# Altium PCB ControllerBoardExp.PcbDoc (part 3 of 4) (continued)
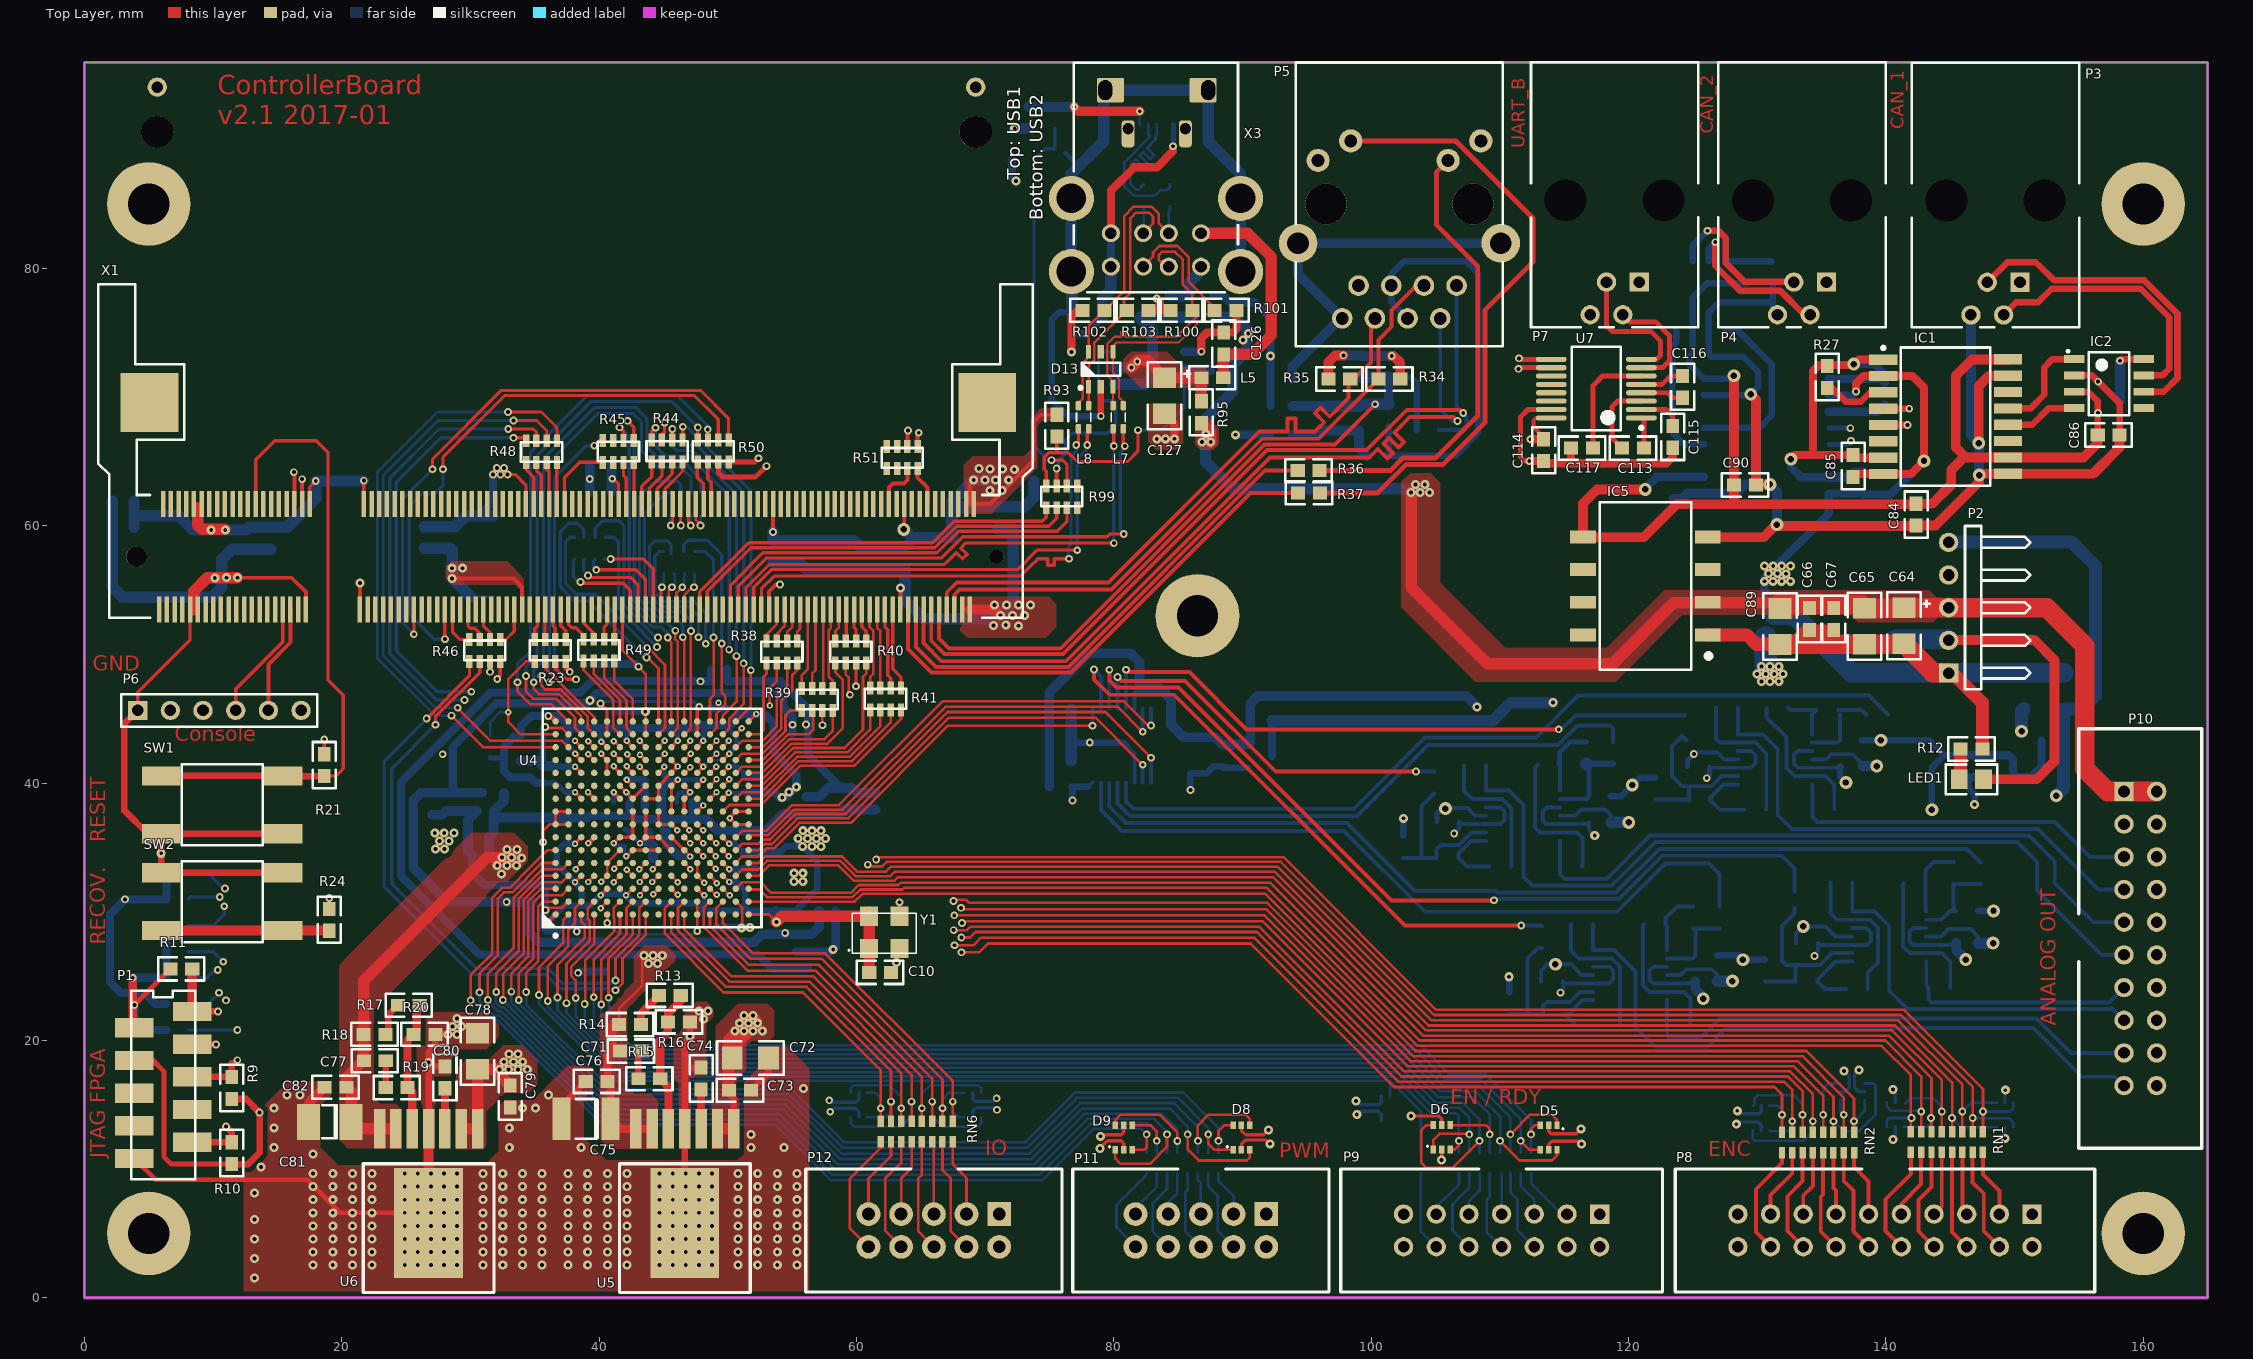
[diagram p0: Top Layer view]
## Nets (pads, with @x,y where several pads share a name; then routed paths per layer and width w, separated by ;. In a path a pad name is that pad's centre, name@x,y a point inside that pad or via, vN(x,y) a via of type N, cw(c..) or ccw(c..) an arc to the next point about the centre after c; other vN are vias at no path point) (continued)
  Bottom Layer w0.762: v2(97.837,73.235) C92.2@99.206,73.235 99.254,73.188 v2(101.594,73.188)
NetC113_1: C113.1 U7.3 | length 6
  Top Layer w0.381: C113.1@119.5,66.03 118.705,66.825 118.705,69.241 119.142,69.678 U7.3@120.994,69.678
NetC113_2: C113.2 U7.1 | length 2.4
  Top Layer w0.381: U7.1@120.994,68.378 121.2,68.171 C113.2@121.2,66.03
NetC115_2: C115.2 U7.2 | length 3.4
  Top Layer w0.381: U7.2@120.994,69.028 122.925,69.028 123.437,68.515 C115.2@123.437,67.755
NetC116_1: C116.1 U7.5 | length 3.5
  Top Layer w0.381: U7.5@120.994,70.978 122.606,70.978 123.271,71.643 C116.1@124.199,71.643
NetC116_2: C116.2 U7.4 | length 3.4
  Top Layer w0.381: U7.4@120.994,70.328 123.013,70.328 123.398,69.943 C116.2@124.199,69.943
NetC117_2: C117.2 U7.6 | length 8.9
  Top Layer w0.381: C117.2@117.238,66.03 117.238,70.887 117.978,71.628 U7.6@120.994,71.628
NetIC1_3: IC1.3 R27.1 | length 5.1
  Top Layer w0.508: R27.1@135.442,70.706 135.812,70.706 136.895,69.623 138.046,69.623 138.787,70.364 IC1.3@139.785,70.364
NetIC2_8: IC2.8 R25.1 R26.2 | length 5.1
  Top Layer w0.508: v2(158.196,72.816) 158.329,72.949 IC2.8@160.05,72.949
  Bottom Layer w0.508: R25.1@158.182,69.669 R25.1@158.196,69.682
  Bottom Layer w0.762: R25.1@158.196,69.682 R26.2@158.196,71.96 v2(158.196,72.816)
NetIC3_3: IC3.3 R30.1 | length 4.6
  Bottom Layer w0.635: IC3.3@135.563,68.85 139.349,68.85 R30.1@139.909,69.41
NetIC4_8: IC4.8 R28.1 R29.2 | length 3.6
  Bottom Layer w0.508: IC4.8@127.515,80.536 131.09,80.536 R29.2@131.107,80.519
NetIC6_2: IC6.2 R92.1 | length 2.2
  Bottom Layer w0.508: IC6.2@85.452,72.252 R92.1@87.327,72.252
  Bottom Layer w0.635: R92.1@87.327,72.252 R92.1@87.548,72.032
NetLED1_1: LED1.1 R12.2 | length 2.4
  Top Layer w0.508: LED1.1@145.69,40.289 LED1.1@145.8,40.399
  Top Layer w1.016: LED1.1@145.8,40.399 R12.2@145.8,42.648
NetR5_2: R5.2 U4.J3 | length 42
  Top Layer w0.254: v3(44.221,31.344) 44.176,31.344 U4.J3@44.62,31.787
  Mid-Layer 2 w0.203: v2(11.887,20.803) 13.64,20.803 19.431,26.594 40.945,26.594 44.221,29.87 v3(44.221,31.344)
  Bottom Layer w0.254: R5.2@8.075,20.803 v2(11.887,20.803)
NetR6_2: R6.2 U4.G12 | length 49.2
  Top Layer w0.254: v3(42.164,41.3) 42.164,41.243 U4.G12@42.62,40.787
  Mid-Layer 1 w0.203: 34.138,44.108 36.105,46.076 37.956,46.076 39.15,47.269 40.762,47.269 41.681,46.35 41.681,43.494 41.673,43.485 41.673,41.792 v3(42.164,41.3)
  Mid-Layer 1 w0.254: v2(10.363,25.476) 15.505,25.476 34.138,44.108
  Bottom Layer w0.254: R6.2@8.075,24.867 9.525,24.867 10.135,25.476 v2(10.363,25.476)
NetR7_2: R7.2 U4.H13 | length 49
  Top Layer w0.254: v3(43.18,42.215) 43.192,42.215 U4.H13@43.62,41.787
  Mid-Layer 1 w0.203: 33.884,44.411 35.891,46.419 37.814,46.419 39.008,47.612 40.904,47.612 42.024,46.492 42.024,44.234 42.659,43.599 42.659,42.735 v3(43.18,42.215)
  Mid-Layer 1 w0.254: v2(10.795,26.111) 15.584,26.111 33.884,44.411
  Bottom Layer w0.254: R7.2@8.075,26.899 10.008,26.899 v2(10.795,26.111)
NetR8_1: R8.1 U4.H12 | length 50.1
  Top Layer w0.254: v3(43.155,41.25) 43.157,41.25 U4.H12@43.62,40.787
  Mid-Layer 1 w0.203: 33.579,44.755 35.585,46.761 37.672,46.761 38.866,47.955 41.046,47.955 42.367,46.634 42.367,44.958 43.764,43.561 43.764,41.58 43.434,41.25 v3(43.155,41.25)
  Mid-Layer 1 w0.254: v2(10.871,30.429) 19.253,30.429 33.579,44.755
  Bottom Layer w0.254: R8.1@8.077,28.931 10.008,28.931 10.871,29.794 v2(10.871,30.429)
NetR13_1: R13.1 R15.1 R16.1 U5.5 | length 11.3
  Top Layer w0.635: U5.5@45.39,13.122 45.39,16.383 R15.1@44.755,17.018 44.755,20.091 45.364,20.701 R16.1@45.364,21.438 45.364,22.082 46.342,23.059 R13.1@46.342,23.497
NetR13_2: R13.2 R14.1 | length 2.8
  Top Layer w0.635: R14.1@43.257,21.228 43.257,22.112 R13.2@44.642,23.497
NetR17_1: R17.1 R19.1 R20.1 U6.5 | length 10.1
  Top Layer w0.635: U6.5@25.476,13.122 25.476,15.977 R19.1@25.121,16.332 25.121,20.015 R20.1@25.578,20.472 25.832,20.726 25.832,22.504 R17.1@26.06,22.733
NetR17_2: R17.2 R18.1 | length 2.7
  Top Layer w0.508: R18.1@23.393,20.472 23.598,20.677 23.598,21.971 R17.2@24.36,22.733
NetR23_2A: R23.2A X1.87 | length 2.4
  Top Layer w0.254: R23.2A@35.001,51.154 35.001,52.019 35.214,52.232 X1.87@35.214,53.482
NetR23_2B: R23.2B X1.89 | length 2.3
  Top Layer w0.254: R23.2B@35.801,51.154 35.801,53.469 X1.89@35.814,53.482
NetR23_2C: R23.2C X1.91 | length 2.4
  Top Layer w0.254: X1.91@36.414,53.482 36.414,52.206 36.601,52.019 R23.2C@36.601,51.154
NetR23_2D: R23.2D X1.93 | length 2.5
  Top Layer w0.254: X1.93@37.014,53.482 37.014,52.216 37.401,51.829 R23.2D@37.401,51.154
NetR38_2A: R38.2A X1.149 | length 2.8
  Top Layer w0.203: R38.2A@53.007,51.041 53.007,51.534 53.814,52.341 X1.149@53.814,53.482
NetR38_2B: R38.2B X1.151 | length 2.7
  Top Layer w0.203: R38.2B@53.807,51.041 53.807,51.598 54.414,52.204 X1.151@54.414,53.482
NetR38_2C: R38.2C X1.153 | length 2.6
  Top Layer w0.203: R38.2C@54.607,51.041 54.607,51.737 55.014,52.144 X1.153@55.014,53.482
NetR38_2D: R38.2D X1.155 | length 2.5
  Top Layer w0.203: R38.2D@55.407,51.041 55.407,51.775 55.614,51.982 X1.155@55.614,53.482
NetR39_2A: R39.2A X1.157 | length 6.3
  Top Layer w0.203: R39.2A@55.751,47.333 55.751,48.385 56.214,48.848 X1.157@56.214,53.482
NetR39_2B: R39.2B X1.159 | length 6.3
  Top Layer w0.203: R39.2B@56.551,47.333 56.551,48.499 56.814,48.762 X1.159@56.814,53.482
NetR39_2C: R39.2C X1.161 | length 6.2
  Top Layer w0.203: R39.2C@57.351,47.333 57.414,47.397 X1.161@57.414,53.482
NetR39_2D: R39.2D X1.163 | length 6.4
  Top Layer w0.203: X1.163@58.014,53.482 58.014,52.045 57.836,51.867 57.836,48.285 58.151,47.971 R39.2D@58.151,47.333
NetR40_2A: R40.2A X1.165 | length 2.5
  Top Layer w0.203: R40.2A@58.367,51.041 58.367,51.814 58.614,52.061 X1.165@58.614,53.482
NetR40_2B: R40.2B X1.167 | length 2.5
  Top Layer w0.254: R40.2B@59.167,51.041 59.214,51.089 X1.167@59.214,53.482
NetR40_2C: R40.2C X1.169 | length 2.5
  Top Layer w0.254: X1.169@59.814,53.482 59.814,52.073 59.967,51.92 R40.2C@59.967,51.041
NetR40_2D: R40.2D X1.171 | length 2.6
  Top Layer w0.254: X1.171@60.414,53.482 60.414,52.159 60.767,51.806 R40.2D@60.767,51.041
NetR41_2A: R41.2A X1.173 | length 6.3
  Top Layer w0.203: X1.173@61.014,53.482 61.014,52.143 61.29,51.867 61.29,48.463 61.059,48.232 R41.2A@61.059,47.384
NetR41_2B: R41.2B X1.175 | length 6.2
  Top Layer w0.203: X1.175@61.614,53.482 61.614,52.051 61.859,51.806 R41.2B@61.859,47.384
NetR41_2C: R41.2C X1.177 | length 6.3
  Top Layer w0.254: X1.177@62.214,53.482 62.214,52.137 62.42,51.93 62.42,48.374 62.659,48.136 R41.2C@62.659,47.384
NetR41_2D: R41.2D X1.179 | length 6.4
  Top Layer w0.254: X1.179@62.814,53.482 62.814,48.876 63.459,48.231 R41.2D@63.459,47.384
NetR42_2A: R42.2A X1.111 | length 8
  Top Layer w0.254: v2(38.557,55.626) 38.659,55.524 41.859,55.524 42.414,54.969 X1.111@42.414,53.482
  Bottom Layer w0.203: v2@38.544,55.512 38.659,55.626 v2(38.557,55.626)
  Bottom Layer w0.254: R42.2A@38.1,57.406 37.998,57.304 37.998,56.058 v2@38.544,55.512
NetR42_2B: R42.2B X1.113 | length 7.6
  Top Layer w0.254: v2(39.141,56.134) 39.294,55.982 42.443,55.982 43.014,55.411 X1.113@43.014,53.482
  Bottom Layer w0.254: R42.2B@38.9,57.406 38.798,57.304 38.798,56.477 v2(39.141,56.134)
NetR42_2C: R42.2C X1.115 | length 7.5
  Top Layer w0.254: v2(39.776,56.566) 42.85,56.566 43.614,55.801 X1.115@43.614,53.482
  Bottom Layer w0.254: R42.2C@39.7,57.406 39.573,57.279 39.573,56.769 v2(39.776,56.566)
NetR42_2D: R42.2D X1.117 | length 7.3
  Top Layer w0.254: v2(40.894,57.404) 43.459,57.404 44.214,56.649 X1.117@44.214,53.482
  Bottom Layer w0.254: R42.2D@40.398,57.406 v2@40.894,57.406
NetR43_2A: R43.2A X1.119 | length 2.9
  Top Layer w0.203: X1.119@44.814,53.482 44.814,55.152 v2(44.882,55.22)
  Bottom Layer w0.203: v2(44.882,55.22) 44.882,55.474 45.009,55.601 R43.2A@45.009,56.288
NetR43_2B: R43.2B X1.121 | length 3
  Top Layer w0.203: X1.121@45.414,53.482 45.414,54.965 v2(45.669,55.22)
  Bottom Layer w0.203: v2(45.669,55.22) 45.872,55.423 45.872,56.225 R43.2B@45.809,56.288
NetR43_2C: R43.2C X1.123 | length 3.1
  Top Layer w0.203: X1.123@46.014,53.482 46.014,54.777 v2(46.457,55.22)
  Bottom Layer w0.203: v2(46.457,55.22) 46.609,55.372 R43.2C@46.609,56.288
NetR43_2D: R43.2D X1.125 | length 3.3
  Top Layer w0.203: X1.125@46.614,53.482 46.614,54.59 47.244,55.22 v2(47.371,55.22)
  Bottom Layer w0.203: v2(47.371,55.22) 47.32,55.22 47.409,55.308 R43.2D@47.409,56.288
NetR44_2A: R44.2A X1.120 | length 3.8
  Top Layer w0.254: X1.120@45.114,61.682 45.114,62.843 46.482,64.211 R44.2A@46.482,64.95
NetR44_2B: R44.2B X1.118 | length 3.8
  Top Layer w0.254: X1.118@44.514,61.682 44.514,62.878 45.682,64.046 R44.2B@45.682,64.95
NetR44_2C: R44.2C X1.116 | length 3.7
  Top Layer w0.254: X1.116@43.914,61.682 43.914,62.888 44.882,63.856 R44.2C@44.882,64.95
NetR44_2D: R44.2D X1.114 | length 3.6
  Top Layer w0.254: X1.114@43.314,61.682 43.314,63.05 44.082,63.818 R44.2D@44.082,64.95
NetR45_2A: R45.2A X1.112 | length 3.2
  Top Layer w0.203: R45.2A@42.697,64.924 R45.2A@42.714,64.907
  Top Layer w0.254: X1.112@42.714,61.682 R45.2A@42.714,64.907
NetR45_2B: R45.2B X1.110 | length 3.3
  Top Layer w0.254: R45.2B@41.897,64.924 41.897,63.894 42.114,63.677 X1.110@42.114,61.682
NetR45_2D: R45.2D X1.94 | length 5.5
  Top Layer w0.254: X1.94@37.314,61.682 37.314,63.756 38.483,64.924 R45.2D@40.297,64.924
NetR46_2A: R46.2A X1.65 | length 3.3
  Top Layer w0.254: X1.65@28.614,53.482 28.614,51.726 29.186,51.154 R46.2A@29.921,51.154
NetR46_2B: R46.2B X1.69 | length 2.9
  Top Layer w0.254: X1.69@29.814,53.482 29.814,52.202 29.997,52.019 30.328,52.019 30.721,51.626 R46.2B@30.721,51.154
NetR46_2C: R46.2C X1.73 | length 2.5
  Top Layer w0.254: X1.73@31.014,53.482 31.014,52.222 31.521,51.715 R46.2C@31.521,51.154
NetR46_2D: R46.2D X1.81 | length 3
  Top Layer w0.254: R46.2D@32.321,51.154 32.764,51.154 33.414,51.804 X1.81@33.414,53.482
NetR47_2A: R47.2A X1.122 | length 2.5
  Top Layer w0.203: v2(45.568,60.02) 45.714,60.167 X1.122@45.714,61.682
  Bottom Layer w0.203: R47.2A@45.542,60.835 45.568,60.809 v2(45.568,60.02)
NetR47_2B: R47.2B X1.124 | length 2.5
  Top Layer w0.203: X1.124@46.314,61.682 46.38,61.615 46.355,61.59 v2(46.355,60.02)
  Bottom Layer w0.203: R47.2B@46.342,60.835 46.355,60.822 v2(46.355,60.02)
NetR47_2C: R47.2C X1.126 | length 2.6
  Top Layer w0.203: X1.126@46.914,61.682 46.914,60.198 47.092,60.02 v2(47.117,60.02)
  Bottom Layer w0.203: v2(47.117,60.02) 47.117,60.81 R47.2C@47.142,60.835
NetR47_2D: R47.2D X1.128 | length 2.7
  Top Layer w0.203: X1.128@47.514,61.682 47.514,60.436 47.879,60.071 v2(47.879,60.02)
  Bottom Layer w0.203: v2(47.879,60.02) 47.879,60.772 R47.2D@47.942,60.835
NetR48_2A: R48.2A X1.92 | length 3.2
  Top Layer w0.203: R48.2A@36.714,64.885 R48.2A@36.728,64.899
  Top Layer w0.254: X1.92@36.714,61.682 R48.2A@36.714,64.885
NetR48_2B: R48.2B X1.90 | length 3.3
  Top Layer w0.254: R48.2B@35.928,64.899 35.928,64.351 36.114,64.165 X1.90@36.114,61.682
NetR48_2C: R48.2C X1.88 | length 3.4
  Top Layer w0.254: R48.2C@35.128,64.899 35.128,64.313 35.514,63.927 X1.88@35.514,61.682
NetR48_2D: R48.2D X1.86 | length 3.5
  Top Layer w0.254: R48.2D@34.328,64.899 34.328,64.351 34.914,63.765 X1.86@34.914,61.682
NetR49_2A: R49.2A X1.95 | length 3
  Top Layer w0.254: X1.95@37.614,53.482 37.614,52.327 37.871,52.07 38.202,52.07 38.786,51.486 R49.2A@38.786,51.179
NetR49_2B: R49.2B X1.99 | length 2.6
  Top Layer w0.254: X1.99@38.814,53.482 38.814,52.423 39.586,51.651 R49.2B@39.586,51.179
NetR49_2C: R49.2C X1.105 | length 2.4
  Top Layer w0.254: R49.2C@40.386,51.179 40.386,52.095 40.614,52.324 X1.105@40.614,53.482
NetR49_2D: R49.2D X1.107 | length 2.3
  Top Layer w0.254: R49.2D@41.214,51.208 X1.107@41.214,53.482
  Top Layer w0.305: R49.2D@41.186,51.179 R49.2D@41.214,51.208
NetR50_1A: R50.1A X1.55 | length 44.7
  Top Layer w0.254: v2(25.603,51.562) 25.614,51.573 X1.55@25.614,53.482 ; v2(27.051,64.389) 27.051,65.151 32.41,70.51 47.879,70.51 50.063,68.326 R50.1A@50.063,66.65
  Bottom Layer w0.254: v2(25.603,51.562) 25.603,51.613 24.714,52.502 24.714,62.052 v2(27.051,64.389)
NetR50_1B: R50.1B X1.63 | length 45.5
  Top Layer w0.254: v2(27.864,64.389) 27.864,65.303 32.677,70.117 47.409,70.117 49.263,68.262 R50.1B@49.263,66.65 ; X1.63@28.014,53.482 28.014,51.183 v2(28.016,51.181)
  Bottom Layer w0.254: v2(27.864,64.389) 27.864,63.094 27.254,62.484 26.238,62.484 25.248,61.493 25.248,53.137 27.203,51.181 v2(28.016,51.181)
NetR50_2C: R50.2C X1.132 | length 3.4
  Top Layer w0.254: R50.2C@48.436,64.95 48.436,63.629 48.714,63.351 X1.132@48.714,61.682
NetR50_2D: R50.2D X1.130 | length 3.5
  Top Layer w0.254: R50.2D@47.636,64.95 47.636,63.718 48.114,63.239 X1.130@48.114,61.682
NetR51_2A: R51.2A X1.188 | length 3.1
  Top Layer w0.305: R51.2A@64.756,64.441 64.756,63.723 65.514,62.965 X1.188@65.514,61.682
NetR51_2B: R51.2B X1.178 | length 3.9
  Top Layer w0.305: X1.178@62.514,61.682 62.514,62.959 62.835,63.28 63.678,63.28 63.956,63.558 R51.2B@63.956,64.441
NetR52_1: R52.1 R56.2 R58.2 U8.2 | length 7
  Bottom Layer w0.305: U8.2@114.674,38.761 R58.2@116.702,38.761
  Bottom Layer w0.381: R58.2@116.702,38.761 R58.2@116.919,38.978 116.919,41.279 R52.1@116.721,41.477
  Bottom Layer w0.508: R52.1@116.728,41.484 R56.2@118.782,41.484
  Bottom Layer w1.016: R52.1@116.721,41.477 R52.1@116.728,41.484
NetR52_2: R52.2 R60.1 U8.1 | length 5.4
  Bottom Layer w0.305: U8.1@114.674,39.411 R60.1@114.674,41.365
  Bottom Layer w0.381: R60.1@114.622,41.416 114.622,42.367 114.615,42.367 115.425,43.177 R52.2@116.721,43.177
NetR53_1: R53.1 R57.2 R59.2 U9.2 | length 6.5
  Bottom Layer w0.305: U9.2@134.268,43.136 136.243,43.136 R59.2@136.428,43.321 R53.1@136.428,45.311 ; R53.1@136.322,45.669 138.102,45.669 R57.2@138.457,45.314
NetR53_2: R53.2 R61.1 U9.1 | length 4.3
  Bottom Layer w0.305: R61.1@132.436,45.822 132.588,45.669 R53.2@134.622,45.669 134.268,45.316 U9.1@134.268,43.786
NetR54_1: R54.1 R60.2 U8.6 | length 11.2
  Bottom Layer w0.305: R60.2@112.922,41.416 112.736,41.23 112.736,36.53 113.106,36.161 U8.6@114.674,36.161 115.978,36.161 116.413,35.725 116.413,33.538 R54.1@116.377,33.502
NetR55_1: R55.1 R61.2 U9.6 | length 11.4
  Bottom Layer w0.305: R61.2@130.736,45.822 130.736,45.109 132.267,43.577 132.267,41.183 132.913,40.536 U9.6@134.268,40.536 135.29,40.536 135.982,39.844 R55.1@135.982,37.967
NetR62_1: R62.1 R66.2 R68.2 U8.9 | length 13.1
  Bottom Layer w0.305: R68.2@102.481,34.194 102.485,34.191 103.943,34.191 ; R66.2@104.893,39.185 103.911,38.203 103.911,34.223 103.943,34.191 ; U8.9@108.924,36.161 107.791,36.161 106.819,35.189 105.41,35.189 105.085,34.863 R62.1@105.085,34.191 103.943,34.191
NetR62_2: R62.2 R70.1 U8.8 | length 5.5
  Bottom Layer w0.305: U8.8@108.924,35.511 107.77,35.511 106.785,34.525 R62.2@106.785,34.191 107.467,33.508 R70.1@109.147,33.508
NetR63_1: R63.1 R67.2 R69.2 U9.9 | length 13.3
  Bottom Layer w0.305: R69.2@122.09,38.733 R63.1@124.648,38.733 ; R67.2@124.152,43.642 123.371,42.862 123.371,40.542 123.518,40.395 124.163,39.75 126.432,39.75 127.218,40.536 U9.9@128.518,40.536 ; R63.1@124.698,38.684 124.698,39.739
  Bottom Layer w0.381: R67.2@124.152,43.642 124.176,43.642 R67.2@124.456,43.363 ; R63.1@124.648,38.733 R63.1@124.698,38.684
NetR63_2: R63.2 R71.1 U9.8 | length 5.7
  Bottom Layer w0.305: R63.2@126.414,38.614 127.103,37.925 R71.1@129,37.925 ; R63.2@126.414,38.917 127.384,39.886 U9.8@128.518,39.886
  Bottom Layer w0.381: R63.2@126.414,38.614 R63.2@126.414,38.917
NetR64_1: R64.1 R70.2 U8.13 | length 10.8
  Bottom Layer w0.305: R64.1@107.222,41.364 107.222,39.397 107.859,38.761 U8.13@108.924,38.761 110.181,38.761 110.907,38.034 110.907,33.569 R70.2@110.847,33.508
NetR65_1: R65.1 R71.2 U9.13 | length 11.2
  Bottom Layer w0.305: R65.1@126.799,45.84 126.799,43.435 127.098,43.136 U9.13@128.518,43.136 129.868,43.136 130.7,42.304 R71.2@130.7,37.925
NetR72_1: R72.1 R76.2 R78.2 U10.2 | length 6.9
  Bottom Layer w0.305: U10.2@143.135,29.379 144.283,29.379 144.969,30.064 R78.2@145.465,30.064 145.249,30.28 R72.1@145.249,32.155 147.341,32.155 R76.2@147.357,32.139
NetR72_2: R72.2 R80.1 U10.1 | length 5.7
  Bottom Layer w0.305: U10.1@143.135,30.029 143.082,30.081 R80.1@143.082,32.231 143.082,33.241 143.697,33.855 R72.2@145.249,33.855
NetR73_1: R73.1 R77.2 R79.2 U11.2 | length 6.5
  Bottom Layer w0.305: U11.2@122.998,26.375 124.955,26.375 R79.2@125.188,26.609 125.188,28.53 R73.1@125.012,28.706 127.056,28.706 R77.2@127.058,28.708
NetR73_2: R73.2 R81.1 U11.1 | length 5
  Bottom Layer w0.305: U11.1@122.998,27.025 122.998,28.907 R81.1@122.885,29.02 122.885,29.509 123.783,30.406 R73.2@125.012,30.406
NetR74_1: R74.1 R80.2 U10.6 | length 11.1
  Bottom Layer w0.305: R80.2@141.382,32.231 141.326,32.175 141.326,27.316 141.863,26.779 U10.6@143.135,26.779 144.351,26.779 145.001,26.129 R74.1@145.001,24.086
NetR75_1: R75.1 R81.2 U11.6 | length 11
  Bottom Layer w0.305: R81.2@121.185,29.02 121.132,28.967 121.132,24.286 121.643,23.775 U11.6@122.998,23.775 124.301,23.775 124.804,23.271 124.804,21.254 R75.1@124.71,21.159
NetR82_1: R82.1 R86.2 R88.2 U10.9 | length 14.1
  Bottom Layer w0.305: R88.2@130.595,24.573 130.599,24.577 R82.1@132.968,24.577 132.968,25.823 ; R86.2@132.892,30.296 132.892,29.862 131.918,28.889 131.918,26.181 132.247,25.853 133.374,25.853 134.898,25.853 135.824,26.779 U10.9@137.385,26.779
NetR82_2: R82.2 R90.1 U10.8 | length 5.9
  Bottom Layer w0.305: R90.1@136.888,23.992 135.252,23.992 R82.2@134.668,24.577 134.668,24.712 136.084,26.129 U10.8@137.385,26.129
NetR83_1: R83.1 R87.2 R89.2 U11.9 | length 13.5
  Bottom Layer w0.305: R89.2@110.722,22.048 113.334,22.048 R83.1@113.358,22.024 113.358,22.674 113.684,23.001 115.458,23.001 116.232,23.775 U11.9@117.248,23.775 ; 112.139,22.062 112.139,26.382 112.95,27.194 R87.2@113.291,27.194
NetR83_2: R83.2 R91.1 U11.8 | length 5.6
  Bottom Layer w0.305: U11.8@117.248,23.125 116.43,23.125 115.329,22.024 R83.2@115.058,22.024 115.926,21.156 R91.1@117.641,21.156
NetR84_1: R84.1 R90.2 U10.13 | length 11.6
  Bottom Layer w0.305: R84.1@135.689,32.261 135.689,29.89 136.201,29.379 U10.13@137.385,29.379 138.769,29.379 139.374,28.774 139.374,26.062 138.588,25.275 R90.2@138.588,23.992
NetR85_1: R85.1 R91.2 U11.13 | length 10.9
  Bottom Layer w0.305: R85.1@115.543,29.005 115.543,26.964 116.132,26.375 U11.13@117.248,26.375 118.693,26.375 119.341,25.727 R91.2@119.341,21.156
RECOVERY_MODE#: R24.1 SW2.3 SW2.4 | length 13.1
  Top Layer w0.762: SW2.4@5.969,28.536 SW2.3@15.469,28.536 19.013,28.536 R24.1@19.025,28.524
RESET_EXT#: R21.1 SW1.1 SW1.2 X1.26 | length 49.5
  Top Layer w0.254: X1.26@13.314,61.682 13.314,65.13 14.783,66.599 18.034,66.599 18.923,65.71 18.923,48.031 20.117,46.838 20.117,41.123 19.533,40.538 R21.1@18.644,40.538
  Top Layer w0.508: SW1.2@5.969,40.553 SW1.1@15.469,40.553 15.483,40.538 R21.1@18.644,40.538
RESET_OUT: R22.1 R23.1A U4.A15 | length 12.9
  Top Layer w0.203: R23.1A@35.001,49.454 34.315,49.454 32.944,48.082 v3(32.944,45.491) 32.944,44.729 33.886,43.787 U4.A15@36.62,43.787
  Bottom Layer w0.203: R22.1@31.547,43.688 31.547,44.755 32.334,45.542 32.385,45.491 v3(32.944,45.491)
SHIELD: D12.3 D13.2 L9.2 X3.S1 X3.S2 X3.S3 X3.S4 X4.S1 X4.S2 X4.S3 X4.S4 | length 57.4
  Top Layer w0.508: v2(78.994,68.51) D13.2@78.994,70.811
  Bottom Layer w0.381: D12.3@76.252,88.939 77.235,87.956
  Bottom Layer w0.508: L9.2@76.715,76.592 75.74,76.592 75.173,76.024 75.173,69.77 76.432,68.51 v2(78.994,68.51)
  Bottom Layer w0.889: 76.702,87.239 X3.S4@76.706,85.43 X3.S3@76.706,79.75 76.715,79.74 L9.2@76.715,76.592 ; 76.706,87.36 79.215,89.869 79.215,93.73 X4.S1@79.337,93.853 X4.S1@80.375,93.853 X4.S3@82.187,93.853 X4.S4@84.487,93.853 X4.S2@86.3,93.853 X4.S2@87.337,93.853 87.337,89.863 89.846,87.355 X3.S1@89.846,85.43 X3.S2@89.846,79.75
SHIELD_ETH: L2.2 P5.8 P5.S1 P5.S2 | length 29.4
  Bottom Layer w0.762: L2.2@93.87,71.408 93.87,72.361 97.621,76.112 P5.8@97.749,76.112 94.319,79.542 P5.S1@94.319,81.952 P5.S2@110.069,81.952
SPI_SOM_FPGA.CLK: R48.1C U4.C14 | length 45.8
  Top Layer w0.254: v2(32.944,67.513) 34.9,67.513 35.128,67.284 R48.1C@35.128,66.599 ; v3(38.125,43.282) U4.C14@38.62,42.787
  Mid-Layer 2 w0.203: v2(29.54,46.457) 35.941,46.457 38.125,44.272 v3(38.125,43.282)
  Bottom Layer w0.254: v2@29.388,46.558 29.286,46.457 27.33,46.457 23.724,50.063 23.724,63.678 27.559,67.513 v2(32.944,67.513)
SPI_SOM_FPGA.CS: R48.1D U4.D14 | length 43.6
  Top Layer w0.203: v3(39.141,43.256) 39.151,43.256 U4.D14@39.62,42.787
  Top Layer w0.254: v2(33.35,66.827) 34.1,66.827 R48.1D@34.328,66.599
  Mid-Layer 2 w0.203: v2(30.074,47.092) 36.043,47.092 39.141,43.993 v3(39.141,43.256)
  Bottom Layer w0.254: v2(30.074,47.092) 27.432,47.092 24.232,50.292 24.232,63.373 27.686,66.827 v2(33.35,66.827)
SPI_SOM_FPGA.RXD: R48.1B U4.B14 | length 49.2
  Top Layer w0.203: v2(29.007,45.847) 31.572,43.282 37.125,43.282 ; v2(33.35,68.174) 35.154,68.174 35.928,67.399 R48.1B@35.928,66.599 ; 35.535,43.282 37.125,43.282 ; U4.B14@37.62,42.787 37.125,43.282 ; U4.B14@37.62,42.787 37.125,43.282
  Bottom Layer w0.203: v2(29.007,45.847) 27.28,45.847 23.216,49.911 23.216,63.906 27.483,68.174 v2(33.35,68.174)
SPI_SOM_FPGA.TXD: R48.1A U4.A14 | length 48.6
  Top Layer w0.203: v2(28.524,45.237) 30.974,42.787 U4.A14@36.62,42.787 ; v2(32.918,68.834) 35.509,68.834 36.728,67.615 R48.1A@36.728,66.599
  Bottom Layer w0.203: v2(28.524,45.237) 27.252,45.237 22.758,49.731 22.758,64.135 27.457,68.834 v2(32.918,68.834)
TCK: P1.1 R11.2 U4.H3 | length 43.3
  Top Layer w0.203: v3(43.18,31.293) 43.133,31.293 43.129,31.297 U4.H3@43.62,31.787
  Top Layer w0.508: P1.1@8.382,22.25 v2(10.389,22.25)
  Top Layer w0.762: R11.2@8.38,25.552 8.382,25.551 P1.1@8.382,22.25
  Mid-Layer 2 w0.203: v2(10.389,22.25) 13.792,22.25 19.025,27.483 40.513,27.483 43.015,29.985 43.015,31.128 v3(43.18,31.293)
TDI: P1.9 R10.1 U4.H4 | length 51.9
  Top Layer w0.203: v3(43.155,32.309) 43.155,32.322 U4.H4@43.62,32.787
  Top Layer w0.508: P1.9@8.382,12.09 R10.1@11.455,12.09 11.455,12.852 v2(10.998,13.31)
  Mid-Layer 1 w0.254: v2(10.998,13.31) v2(10.998,23.114)
  Mid-Layer 2 w0.203: v2(10.998,23.114) 13.919,23.114 18.72,27.915 40.361,27.915 42.672,30.226 42.672,31.826 v3(43.155,32.309)
TDO: P1.3 U4.J4 | length 43.1
  Top Layer w0.203: v3(44.145,32.309) 44.145,32.313 U4.J4@44.62,32.787
  Top Layer w0.508: P1.3@8.382,19.71 8.407,19.685 v2(10.236,19.685)
  Mid-Layer 2 w0.203: v2(10.236,19.685) 10.236,20.371 11.235,21.369 13.571,21.369 19.253,27.051 40.691,27.051 43.697,30.057 43.697,31.86 v3(44.145,32.309)
TMS: P1.5 R9.1 U4.J5 | length 46.1
  Top Layer w0.203: v3(44.171,33.299) 44.171,33.338 U4.J5@44.62,33.787
  Top Layer w0.508: P1.5@8.382,17.17 11.43,17.17 R9.1@11.455,17.145 11.455,18.237
  Mid-Layer 2 w0.203: v2@11.975,18.466 19.671,26.162 41.148,26.162 44.806,29.82 44.806,32.664 v3(44.171,33.299)
  other v2: 11.887,18.466
UART1_RXD: P6.4 X1.33 | length 9.4
  Top Layer w0.305: P6.4@11.76,45.644 11.76,47.314 15.414,50.968 X1.33@15.414,53.482
UART1_TXD: P6.5 X1.35 | length 8.5
  Top Layer w0.305: P6.5@14.3,45.644 14.3,49.225 16.014,50.939 X1.35@16.014,53.482
UART4_RXD: U7.9 X1.36 | length 107.1
  Top Layer w0.305: X1.36@16.314,61.682 v2@16.314,64.128
  Top Layer w0.381: v2(16.28,64.162) v2@16.314,64.128 ; v2@111.483,73.061 111.616,72.928 U7.9@113.994,72.928
  Mid-Layer 2 w0.254: v2(16.28,64.162) 16.28,69.557 18.352,71.629 96.318,71.629 97.045,72.356 103.499,72.356 104.145,73.003 v2(111.488,73.003)
UART4_RXD_RS232: P7.3 U7.8 | length 10.8
  Top Layer w0.381: P7.3@118.286,78.934 118.282,78.93 118.282,75.53 118.716,75.096 121.726,75.096 122.489,74.333 122.489,73.244 122.172,72.928 U7.8@120.994,72.928
UART4_TXD: U7.10 X1.38 | length 105.9
  Top Layer w0.305: X1.38@16.914,61.682 v2@16.914,63.608
  Top Layer w0.381: v2@16.914,63.608 v2(16.923,63.616) ; v2@111.545,72.278 U7.10@113.994,72.278
  Mid-Layer 2 w0.254: v2(16.923,63.616) 16.923,69.463 18.568,71.108 96.533,71.108 97.261,71.836 103.715,71.836 104.067,72.188 v2(111.455,72.188)
UART4_TXD_RS232: P7.2 U7.7 | length 8.7
  Top Layer w0.381: P7.2@119.556,76.394 120.114,75.836 122.101,75.836 123.197,74.739 123.197,72.838 122.637,72.278 U7.7@120.994,72.278
USB_1_N: L7.1 X1.141 | length 42
  Top Layer w0.254: X1.141@51.414,53.482 51.414,55.179 53.221,56.985 66.834,56.985 67.215,57.365 67.394,57.545 67.754,57.904 68.241,57.417 68.6,57.776 68.113,58.263 68.507,58.658 79.985,58.658 v2(80.002,58.641) ; L7.1@79.94,67.528 79.94,67.258 80.002,67.196 v2(80.002,66.192)
  Bottom Layer w0.254: v2(80.002,58.641) v2(80.002,66.192)
USB_1_P: L7.2 X1.139 | length 42
  Top Layer w0.254: X1.139@50.814,53.482 50.814,55.297 53.01,57.493 66.624,57.493 68.264,59.133 79.474,59.133 79.69,59.349 v2(80.767,59.349) ; L7.2@80.74,67.528 80.74,66.299 v2(80.856,66.184)
  Bottom Layer w0.254: v2(80.767,59.349) 80.489,59.627 80.489,65.668 80.767,65.946 80.767,66.079 80.722,66.124 80.781,66.184 v2(80.856,66.184)
USB_2_N: L8.1 X1.145 | length 37.9
  Top Layer w0.254: X1.145@52.614,53.482 52.614,55.103 53.594,56.083 72.753,56.083 73.058,56.388 73.237,56.568 73.597,56.927 73.956,57.286 74.104,57.434 74.358,57.434 74.866,57.434 74.866,56.926 75.374,56.926 75.374,57.434 75.948,57.434 v2(76.511,57.434) ; v2(77.08,66.274) 77.248,66.441 L8.1@77.248,67.528
  Bottom Layer w0.254: v2(76.511,57.434) 76.477,57.469 76.477,58.379 76.677,58.579 76.677,65.41 77.08,65.812 v2(77.08,66.274)
USB_2_P: L8.2 X1.143 | length 37.9
  Top Layer w0.254: X1.143@52.014,53.482 52.014,55.222 53.384,56.591 72.542,56.591 74.066,58.115 77.133,58.115 v2(77.158,58.091) ; v2(77.934,66.273) 77.934,67.103 78.048,67.216 L8.2@78.048,67.528
  Bottom Layer w0.254: v2(77.158,58.091) 77.158,65.171 77.934,65.948 v2(77.934,66.273)
USB_C_DET: D12.2 R97.1 R98.2 R99.2C | length 30.6
  Top Layer w0.254: v2(75.16,65.095) 76.038,65.095 76.354,64.779 R99.2C@76.354,63.095
  Bottom Layer w0.254: R98.2@73.798,88.419 74.682,89.302 ; R98.2@73.798,88.422 73.798,66.189 74.892,65.095 v2(75.16,65.095) ; 74.678,89.302 75.389,89.302 D12.2@75.402,89.289 75.418,89.306 R97.1@75.418,90.871
USB_C_DET_S: R99.1C X1.137 | length 31.2
  Top Layer w0.254: X1.137@50.214,53.482 50.214,55.37 52.73,57.887 66.258,57.887 67.936,59.564 75.606,59.564 76.354,60.312 R99.1C@76.354,61.395
USB_CLIENT_D2_N: R105.1 X4.2 | length 10
  Bottom Layer w0.203: X4.2@82.687,91.178 82.687,90.401 82.784,90.305 82.784,90.195 80.823,88.234 80.823,86.374 81.548,85.649 83.185,85.649 83.591,86.055 84.099,86.055 84.353,86.309 R105.1@84.353,86.511
USB_CLIENT_D2_P: R104.1 X4.3 | length 10
  Bottom Layer w0.203: R104.1@82.321,86.511 81.917,86.106 81.737,86.106 81.28,86.563 81.28,87.706 81.28,87.909 81.28,88.045 81.424,88.189 81.711,88.476 82.259,87.929 82.546,88.216 81.998,88.763 82.286,89.051 82.833,88.503 83.121,88.791 82.573,89.338 83.092,89.857 83.241,90.006 83.241,90.305 83.337,90.401 X4.3@83.337,91.178
USB_D1_N: D13.3 L7.4 R100.2 X3.U2 | length 22
  Top Layer w0.178: L7.4@79.94,69.328 D13.3@79.94,70.808 ; D13.3@79.944,71.231 79.485,71.69 79.485,74.119 79.511,74.144 79.511,74.147 80.027,74.664 80.03,74.664 80.056,74.689 80.404,74.689 80.582,74.689 80.582,75.045 80.937,75.045 80.937,74.689 83.933,74.689 84.869,74.689 86.414,76.235 86.414,76.423 R100.2@86.104,76.733
  Top Layer w0.203: D13.3@79.94,70.808 D13.3@79.944,70.811 D13.3@79.944,71.231 ; X3.U2@84.276,80.13 84.023,80.13 83.504,80.648 83.504,81.051 83.733,81.28 84.76,81.28 85.369,80.67 85.369,78.728 86.104,77.994 R100.2@86.104,76.733